# KiCad board zx-multisound.kicad_pcb (continued)
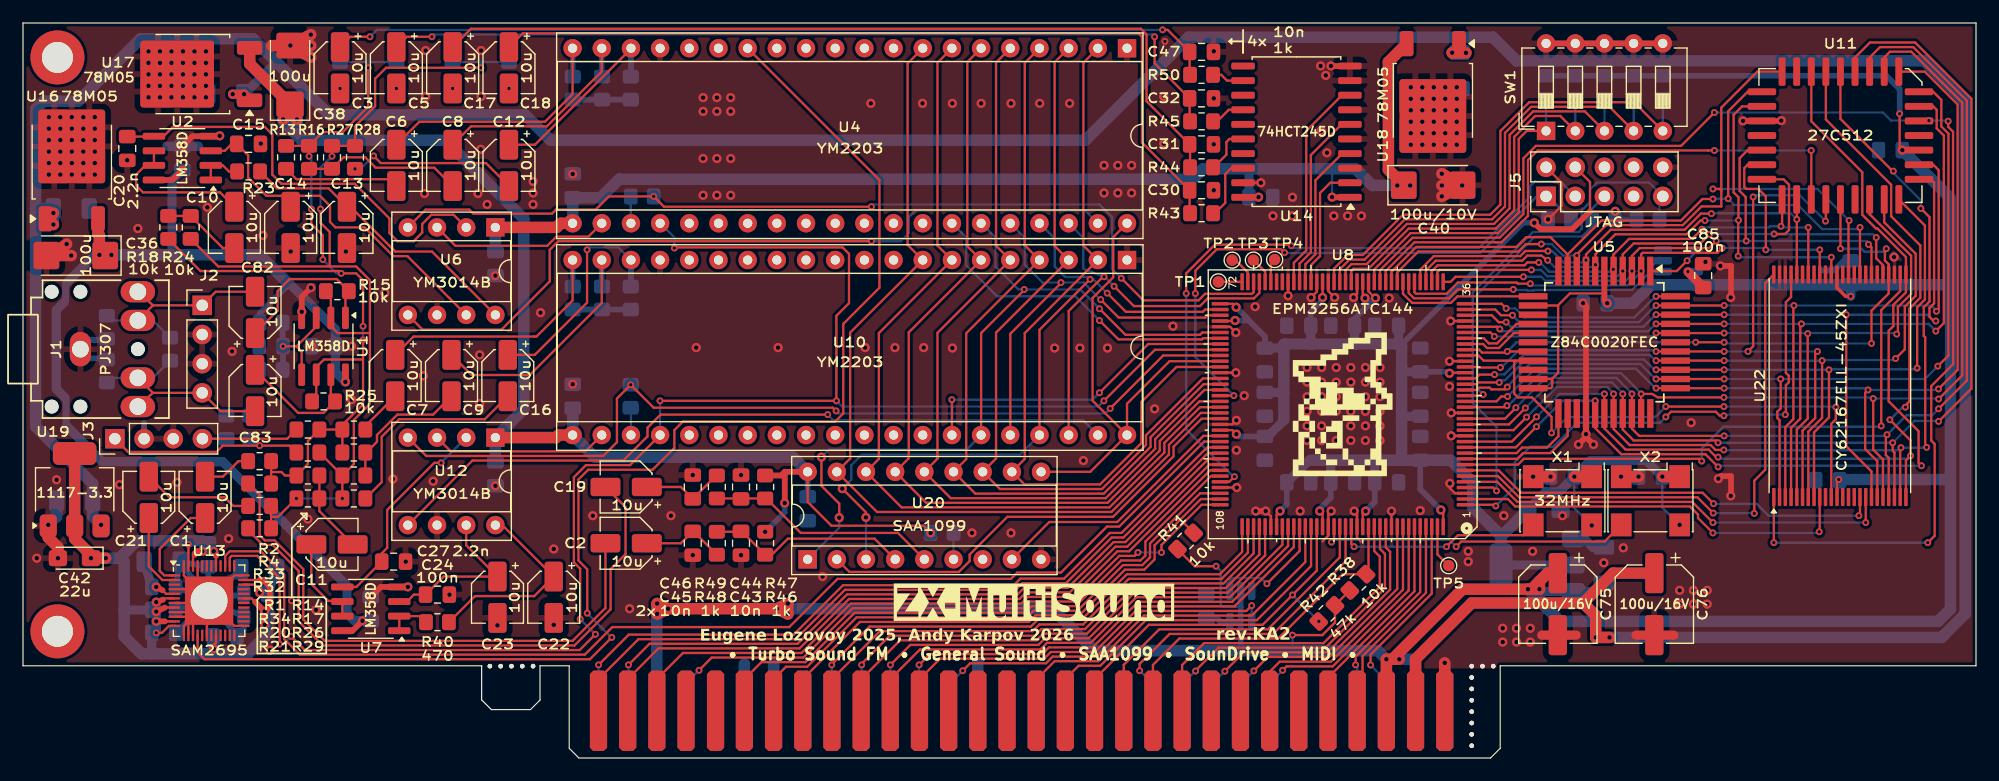
[diagram p0: board, top side]
## Footprints (pads in the part's own frame, mm; a bottom-side part is the same pattern mirrored in y, then rotated) (continued)
  rrect 0.3x1.475 smd: 37(-8.75,-10.662) 38(-8.25,-10.662) 39(-7.75,-10.662) 40(-7.25,-10.662) 41(-6.75,-10.662) 42(-6.25,-10.662) 43(-5.75,-10.662) 44(-5.25,-10.662) 45(-4.75,-10.662) 46(-4.25,-10.662) 47(-3.75,-10.662) 48(-3.25,-10.662) 49(-2.75,-10.662) 50(-2.25,-10.662) 51(-1.75,-10.662) 52(-1.25,-10.662) 53(-0.75,-10.662) 54(-0.25,-10.662) 55(0.25,-10.662) 56(0.75,-10.662) 57(1.25,-10.662) 58(1.75,-10.662) 59(2.25,-10.662) 60(2.75,-10.662) 61(3.25,-10.662) 62(3.75,-10.662) 63(4.25,-10.662) 64(4.75,-10.662) 65(5.25,-10.662) 66(5.75,-10.662) 67(6.25,-10.662) 68(6.75,-10.662) 69(7.25,-10.662) 70(7.75,-10.662) 71(8.25,-10.662) 72(8.75,-10.662) 109(8.75,10.662) 110(8.25,10.662) 111(7.75,10.662) 112(7.25,10.662) 113(6.75,10.662) 114(6.25,10.662) 115(5.75,10.662) 116(5.25,10.662) 117(4.75,10.662) 118(4.25,10.662) 119(3.75,10.662) 120(3.25,10.662) 121(2.75,10.662) 122(2.25,10.662) 123(1.75,10.662) 124(1.25,10.662) 125(0.75,10.662) 126(0.25,10.662) 127(-0.25,10.662) 128(-0.75,10.662) 129(-1.25,10.662) 130(-1.75,10.662) 131(-2.25,10.662) 132(-2.75,10.662) 133(-3.25,10.662) 134(-3.75,10.662) 135(-4.25,10.662) 136(-4.75,10.662) 137(-5.25,10.662) 138(-5.75,10.662) 139(-6.25,10.662) 140(-6.75,10.662) 141(-7.25,10.662) 142(-7.75,10.662) 143(-8.25,10.662) 144(-8.75,10.662)
TSOP-I-48_18.4x12mm_P0.5mm
  rrect 1.575x0.3 smd: 1(-9.688,5.75) 2(-9.688,5.25) 3(-9.688,4.75) 4(-9.688,4.25) 5(-9.688,3.75) 6(-9.688,3.25) 7(-9.688,2.75) 8(-9.688,2.25) 9(-9.688,1.75) 10(-9.688,1.25) 11(-9.688,0.75) 12(-9.688,0.25) 13(-9.688,-0.25) 14(-9.688,-0.75) 15(-9.688,-1.25) 16(-9.688,-1.75) 17(-9.688,-2.25) 18(-9.688,-2.75) 19(-9.688,-3.25) 20(-9.688,-3.75) 21(-9.688,-4.25) 22(-9.688,-4.75) 23(-9.688,-5.25) 24(-9.688,-5.75) 25(9.688,-5.75) 26(9.688,-5.25) 27(9.688,-4.75) 28(9.688,-4.25) 29(9.688,-3.75) 30(9.688,-3.25) 31(9.688,-2.75) 32(9.688,-2.25) 33(9.688,-1.75) 34(9.688,-1.25) 35(9.688,-0.75) 36(9.688,-0.25) 37(9.688,0.25) 38(9.688,0.75) 39(9.688,1.25) 40(9.688,1.75) 41(9.688,2.25) 42(9.688,2.75) 43(9.688,3.25) 44(9.688,3.75) 45(9.688,4.25) 46(9.688,4.75) 47(9.688,5.25) 48(9.688,5.75)
ZX_NEMO_60_EDGE
  rrect 1.5x7 smd far side: a1(2.545,-3.93) a2(5.085,-3.93) a3(7.625,-3.93) a4(10.165,-3.93) a5(12.735,-3.93) a6(15.245,-3.93) a7(17.785,-3.93) a8(20.325,-3.93) a9(22.865,-3.93) a10(25.405,-3.93) a11(27.945,-3.93) a12(30.485,-3.93) a13(33.025,-3.93) a14(35.565,-3.93) a15(38.105,-3.93) a16(40.645,-3.93) a17(43.185,-3.93) a18(45.725,-3.93) a19(48.265,-3.93) a20(50.805,-3.93) a21(53.345,-3.93) a22(55.885,-3.93) a23(58.425,-3.93) a24(60.965,-3.93) a25(63.505,-3.93) a26(66.045,-3.93) a27(68.585,-3.93) a28(71.125,-3.93) a29(73.665,-3.93) a30(76.205,-3.93)
  rrect 1.5x7 smd: b1(2.545,-3.93) b2(5.085,-3.93) b3(7.625,-3.93) b4(10.165,-3.93) b5(12.735,-3.93) b6(15.245,-3.93) b7(17.785,-3.93) b8(20.325,-3.93) b9(22.865,-3.93) b10(25.405,-3.93) b11(27.945,-3.93) b12(30.485,-3.93) b13(33.025,-3.93) b14(35.565,-3.93) b15(38.105,-3.93) b16(40.645,-3.93) b17(43.185,-3.93) b18(45.725,-3.93) b19(48.265,-3.93) b20(50.805,-3.93) b21(53.345,-3.93) b22(55.885,-3.93) b23(58.425,-3.93) b24(60.965,-3.93) b25(63.505,-3.93) b26(66.045,-3.93) b27(68.585,-3.93) b28(71.125,-3.93) b29(73.665,-3.93) b30(76.205,-3.93)

## Nets
+3V3: C34.1 C48.1 C49.1 C50.1 C51.1 C52.1 C53.1 C54.1 C55.1 C56.1 C57.1 C58.1 C59.1 C60.2 C61.2 J5.4 R52.2 R53.2 U8.24 U8.50 U8.51 U8.58 U8.73 U8.76 U8.95 U8.115 U8.123 U8.130 U8.144 U15.2 X1.1 X1.4 X2.1 X2.4
+3V3_2: C42.1 C77.1 C78.1 C79.1 C80.1 C81.1 U13.6 U13.8 U13.11 U13.12 U13.20 U13.31 U13.35 U13.41 U13.46 U13.47 U19.2
+5V: C33.1 C62.2 C63.2 C64.2 C65.2 C75.1 C84.2 C85.2 J4.a3 J4.a29 J4.b28 R38.1 R41.1 R42.1 R54.1 R55.1 R56.1 R57.1 R58.1 U5.6 U5.13 U5.21 U5.22 U11.32 U15.3 U21.2 U21.5 U22.12 U22.37 U23.5
+5VA: C36.1 C66.2 C67.2 C68.2 R5.2 U1.8 U2.8 U7.8 U16.3
+5VA_1: C40.1 C69.2 C70.2 C71.2 U4.21 U6.1 U14.1 U14.20 U18.3
+5VA_2: C38.1 C72.2 C73.2 C74.2 R46.2 R47.2 R51.2 U10.21 U12.1 U17.3 U20.18
+12V: C35.1 C37.1 C39.1 C41.1 C76.1 J4.b29 U16.1 U17.1 U18.1 U19.3
GND: C4.1 C13.2 C14.2 C15.2 C20.2 C22.2 C23.2 C24.2 C25.2 C26.2 C27.2 C28.2 C29.2 C30.2 C31.2 C32.2 C33.2 C34.2 C35.2 C36.2 C37.2 C38.2 C39.2 C40.2 C41.2 C42.2 C43.2 C44.2 C45.2 C46.2 C47.2 C48.2 C49.2 C50.2 C51.2 C52.2 C53.2 C54.2 C55.2 C56.2 C57.2 C58.2 C59.2 C60.1 C61.1 C62.1 C63.1 C64.1 C65.1 C66.1 C67.1 C68.1 C69.1 C70.1 C71.1 C72.1 C73.1 C74.1 C75.2 C76.2 C77.2 C78.2 C79.2 C80.2 C81.2 C84.1 C85.1 J1.S J2.2 J2.3 J3.2 J3.3 J4.a6 J4.a7 J4.a14 J4.a30 J4.b30 J5.2 J5.10 R7.2 R8.1 R9.1 R10.1 R11.2 R19.2 R35.1 R36.1 R37.1 R59.2 R61.1 R62.1 SW1.6 SW1.7 SW1.8 SW1.9 SW1.10 U1.4 U2.4 U4.1 U4.17 U5.26 U6.6 U7.4 U8.3 U8.13 U8.17 U8.26 U8.33 U8.52 U8.57 U8.59 U8.64 U8.77 U8.85 U8.94 U8.105 U8.114 U8.124 U8.129 U8.135 U10.1 U10.17 U11.16 U12.6 U13.4 U13.7 U13.9 U13.10 U13.13 U13.14 U13.15 U13.18 U13.25 U13.36 U13.45 U13.48 U13.49 U14.3 U14.5 U14.7 U14.9 U14.10 U14.19 U15.1 U16.2 U17.2 U18.2 U19.1 U20.9 U21.3 U22.27 U22.46 U22.47 U23.1 U23.3 X1.2 X2.2
/A0: J4.a9 U8.109
/A1: J4.a10 U8.111
/A2: J4.a11 U8.113
/A3: J4.a12 U8.117
/A4: J4.a24 U8.138
/A5: J4.a23 U8.136
/A6: J4.a22 U8.134
/A7: J4.a21 U8.133
/A8: J4.b26 U8.139
/A9: J4.a27 U8.140
/A10: J4.b27 U8.141
/A11: J4.a28 U8.142
/A12: J4.a2 U8.100
/A13: J4.b2 U8.101
/A14: J4.a1 U8.98
/A15: J4.b1 U8.99
/AA0: U4.37 U8.74 U10.37 U20.3
/AD0: U4.40 U8.83 U10.40 U20.10
/AD1: U4.2 U8.84 U10.2 U20.11
/AD2: U4.3 U8.86 U10.3 U20.12
/AD3: U4.4 U8.87 U10.4 U20.13
/AD4: U4.5 U8.88 U10.5 U20.14
/AD5: U4.6 U8.90 U10.6 U20.15
/AD6: U4.7 U8.91 U10.7 U20.16
/AD7: U4.8 U8.92 U10.8 U20.17
/AY_A1: C6.1 R10.2 U4.20
/AY_A2: C7.1 R37.2 U10.20
/AY_B1: C8.1 R9.2 U4.19
/AY_B2: C9.1 R36.2 U10.19
/AY_C1: C12.1 R8.2 U4.18
/AY_C2: C16.1 R35.2 U10.18
/CFG0: R54.2 SW1.1 U8.49
/CFG1: R55.2 SW1.2 U8.53
/CFG2: R56.2 SW1.3 U8.54
/CFG3: R57.2 SW1.4 U8.55
/CFG4: R58.2 SW1.5 U8.56
/CLK32: U8.128 X1.3
/CLKx: U8.125 X2.3
/D0: J4.b6 U8.103
/D1: J4.b7 U8.106
/D2: J4.b8 U8.107
/D3: J4.b11 U8.116
/D4: J4.b12 U8.118
/D5: J4.b10 U8.112
/D6: J4.b9 U8.110
/D7: J4.b3 U8.102
/DAC0: U8.63 U14.8
/DAC1: U8.62 U14.6
/DAC2: U8.61 U14.4
/DAC3: U8.60 U14.2
/DACCH0: C3.1 C47.1 R50.1
/DACCH1: C5.1 C32.1 R45.1
/DACCH2: C17.1 C31.1 R44.1
/DACCH3: C18.1 C30.1 R43.1
/FM1: C10.1 U2.6 U2.7
/FM1_ENA: R22.2 U6.4 U8.70
/FM2: C11.1 U7.6 U7.7
/FM2_ENA: R39.2 U8.82 U12.4
/GA0: U5.27 U8.11 U11.11 U22.25
/GA1: U5.28 U8.12 U11.10 U22.24
/GA2: U5.29 U8.14 U11.9 U22.23
/GA3: U5.30 U8.15 U11.8 U22.22
/GA4: U5.31 U8.16 U11.7 U22.21
/GA5: U5.32 U8.18 U11.6 U22.20
/GA6: U5.34 U8.19 U11.5 U22.19
/GA7: U5.35 U8.21 U11.4 U22.2
/GA8: U5.36 U8.22 U11.29 U22.8
/GA9: U5.37 U8.23 U11.28 U22.7
/GA10: U5.38 U8.25 U11.24 U22.6
/GA11: U5.40 U8.31 U11.27 U22.5
/GA12: U5.41 U8.32 U11.3 U22.4
/GA13: U5.42 U8.34 U11.30 U22.18
/GA14: U5.43 U8.35 U11.31 U22.3
/GA15: U5.44 U8.36
/GCLK: U8.43 U23.2
/GCLK_BUF: U5.1 U23.4
/GD0: U5.9 U8.45 U11.13 U22.35
/GD1: U5.10 U8.46 U11.14 U22.33
/GD2: U5.7 U8.40 U11.15 U22.38
/GD3: U5.3 U8.37 U11.18 U22.31
/GD4: U5.2 U8.42 U11.19 U22.40
/GD5: U5.4 U8.38 U11.20 U22.29
/GD6: U5.5 U8.39 U11.21 U22.42
/GD7: U5.8 U8.41 U11.22 U22.44
/GMA15: U8.48 U11.2 U22.1
/GMA16: U8.6 U22.48
/GMA17: U8.5 U22.17
/GMA18: U8.7 U22.16
/GMA19: U8.2 U22.9
/GMA20: U8.1 U22.45
/IN_L: J3.4 R1.2 R7.1
/IN_R: J3.1 R19.1 R34.2
/MIDI_CLK: U8.97 U13.39
/MIDI_IN: U4.14 U13.16
/MIDI_L: C1.1 U13.1
/MIDI_R: C21.1 U13.2
/SAA_CLK: U8.96 U20.8
/SAA_L: C2.1 C45.1 R48.2
/SAA_R: C19.1 C46.1 R49.2
/SND_L: C83.2 J1.T J1.TN J2.4 R60.2 R62.2
/SND_R: C82.2 J1.R J1.RN J2.1 R60.1 R61.2
/TCK: J5.1 R59.1 U8.89
/TDI: J5.9 R52.1 U8.4
/TDO: J5.3 U8.104
/TMS: J5.5 R53.1 U8.20
/YM_M: U4.38 U8.69 U10.38
/~{ARD}: U4.36 U8.75 U10.36
/~{AWR}: U4.35 U8.78 U10.35 U20.1
/~{DOS}: J4.a4 R41.2 U8.108
/~{GINT}: U5.12 U8.44
/~{GIORQ}: U5.16 U8.29
/~{GM1}: U5.24 U8.9
/~{GMREQ}: U5.15 U8.30
/~{GRAM}: U8.8 U22.26
/~{GRD}: U5.18 U8.28 U11.25 U22.28
/~{GROM}: U8.47 U11.23
/~{GRST}: U5.23 U8.10
/~{GWR}: U5.19 U8.27 U22.11
/~{IODOS}: J4.b20 R38.2 U8.131
/~{IORQGE}: U8.119 U21.1
/~{IORQ}: J4.b17 U8.121
/~{M1}: J4.b24 U8.137
/~{MREQ}: J4.b16 U8.120
/~{RD}: J4.b18 R42.2 U8.122
/~{RSTOUT}: U4.24 U8.81 U10.24 U13.38
/~{RST}: J4.a20 U8.127
/~{SAA_CS}: U8.93 U20.2
/~{WAIT}: J4.b21 U8.132
/~{WR}: J4.b19 U8.126
/~{YM1_CS}: U4.34 U8.79
/~{YM2_CS}: U8.80 U10.34
Net-(C1-Pad2): C1.2 R2.2
Net-(C2-Pad2): C2.2 R4.2
Net-(C3-Pad2): C3.2 R6.2
Net-(C5-Pad2): C5.2 R12.2
Net-(C6-Pad2): C6.2 R13.2
Net-(C7-Pad2): C7.2 R14.2
Net-(C8-Pad2): C8.2 R16.2 R27.2
Net-(C9-Pad2): C9.2 R17.2 R26.2
Net-(C10-Pad2): C10.2 R18.2 R24.2
Net-(C11-Pad2): C11.2 R20.2 R21.2
Net-(C12-Pad2): C12.2 R28.2
Net-(C16-Pad2): C16.2 R29.2
Net-(C17-Pad2): C17.2 R30.2
Net-(C18-Pad2): C18.2 R31.2
Net-(C19-Pad2): C19.2 R32.2
Net-(C21-Pad2): C21.2 R33.2
Net-(C82-Pad1): C82.1 R15.2 U1.1
Net-(C83-Pad1): C83.1 R25.2 U1.7
Net-(J4-Pin_a13): J4.a13 U21.4
Net-(TP1-Pad1): TP1.1 U8.72
Net-(TP2-Pad1): TP2.1 U8.71
Net-(TP3-Pad1): TP3.1 U8.68
Net-(TP4-Pad1): TP4.1 U8.67
Net-(TP5-Pad1): TP5.1 U8.143
Net-(U1A-+): C4.2 R5.1 R11.1 U1.3 U1.5
Net-(U1A--): R15.1 R21.1 R24.1 R26.1 R27.1 R28.1 R29.1 R30.1 R31.1 R32.1 R33.1 R34.1 U1.2
Net-(U1B--): R1.1 R2.1 R4.1 R6.1 R12.1 R13.1 R14.1 R16.1 R17.1 R18.1 R20.1 R25.1 U1.6
Net-(U2A-+): C14.1 C15.1 U2.3 U6.7
Net-(U2A--): R23.1 U2.1 U2.2
Net-(U2B-+): C20.1 U2.5 U6.2
Net-(U4-OP-O): R22.1 U4.23
Net-(U4-S): U4.39 U6.5
Net-(U4-SH): U4.22 U6.3
Net-(U6-Mp): C13.1 R23.2 U6.8
Net-(U7A--): R40.1 U7.1 U7.2
Net-(U10-OP-O): R39.1 U10.23
Net-(U10-S): U10.39 U12.5
Net-(U10-SH): U10.22 U12.3
Net-(U12-Mp): C22.1 R40.2 U12.8
Net-(U12-Rb): C23.1 C24.1 U7.3 U12.7
Net-(U12-ToBUFF): C27.1 U7.5 U12.2
Net-(U13-OUTVC12): C28.1 C29.1 U13.34
Net-(U13-VCM): C25.1 C26.1 U13.5
Net-(U14-B0): R43.2 U14.18
Net-(U14-B2): R44.2 U14.16
Net-(U14-B4): R45.2 U14.14
Net-(U14-B6): R50.2 U14.12
Net-(U20-Iref): R51.1 U20.6
Net-(U20-OutL): C43.1 R46.1 R48.1 U20.4
Net-(U20-OutR): C44.1 R47.1 R49.1 U20.5

Pads without a net: H1 1; H2 1; J4 a5 a8 a15 a16 a17 a18 a19 a25 a26 b4 b5 b13 b14 b15 b22 b23 b25; J5 6 7 8; U4 9 10 11 12 13 15 16 25 26 27 28 29 30 31 32 33; U5 11 14 17 20 25 33 39; U8 65 66; U10 9 10 11 12 13 14 15 16 25 26 27 28 29 30 31 32 33; U11 1 12 17 26; U13 3 17 19 21 22 23 24 26 27 28 29 30 32 33 37 40 42 43 44; U14 11 13 15 17; U20 7; U22 10 13 14 15 30 32 34 36 39 41 43

## Via types
v1: diameter 0.8, hole 0.4, Top to Bottom, 386 vias
v2: diameter 0.6, hole 0.3, Top to Bottom, 249 vias

## Routing (per net, layer and track width the routed paths; a pad name or vN(x,y) marks a point on that pad's centre or on a via; arc(x,y) is an arc through that point)
+3V3: length 187.9
  Top w0.2: U8.58 v1(113.12,40.1) ; v1(112.87,21.5) 113.12,21.25 U8.123 ; v1(105.62,28.2) 105.27,28.55 U8.95 ; v1(124.17,33.5) 124.22,33.55 U8.24 ; U8.50 117.12,40.62 117.69,40.05 v1(117.72,40.05) ; J5.4 136.4,50.16 136.4,47.6 v1(138.6,47.6) ; v1(105.51,38.1) 105.46,38.05 U8.76 ; v1(116.82,40.05) 116.62,40.25 U8.51 ; v1(109.42,21.5) 109.12,21.2 U8.115 ; U8.144 123.62,21.4 v1(123.42,21.6) ; v1(105.6,39.25) 105.3,39.55 U8.73 ; U8.130 116.62,21.25 v1(116.87,21.5)
  Top w0.5: 136.4,47.6 134.85,46.05 132.1,46.05 v1(131.55,46.6) ; v1(136.55,20.25) 136.54,20.26 X1.4
  Top w1: X2.1 v1(142.7,24.5) ; X1.1 v1(135.04,24.5)
  Bottom w0.2: v1(138.6,47.6) R53.2 ; v1(135.04,24.5) 135.04,21.76 v1(136.55,20.25) ; v1(144.2,20.3) 142.7,21.8 v1(142.7,24.5)
  Bottom w0.5: C54.1 105.82,28 v1(105.62,28.2) ; 117.66,25.91 117.68,25.92 ; v1(113.12,40.1) 113.12,39.9 112.09,38.87 C56.1 ; v1(131.55,46.6) 130.6,46.6 120,36 120,35.85 ; 120.06,29.76 120,29.7 ; v1(109.42,21.5) 110.01,22.09 C49.1 ; C50.1 121.62,23.39 v1(123.42,21.6) ; 106.6,38.1 106.6,38.25 v1(105.6,39.25) ; v1(116.87,21.5) 117.66,22.29 C48.1 ; 116.82,39.15 115.91,38.24 C57.1 ; 116.82,39.15 v1(116.82,40.05) ; 116.82,39.15 v1(117.72,40.05) ; v1(124.17,33.5) 124.04,33.62 C52.1 ; 119.74,36.11 119.8,36.05 ; 115.91,36.09 115.95,36.05 ; 109.44,35.69 109.75,36 ; R53.2 R52.2 ; C53.1 113.83,22.66 112.87,21.7 v1(112.87,21.5) ; C55.1 108.1,36.7 106.7,38.1 v1(105.51,38.1) ; 120.03,33.62 120,33.6 ; 113.83,25.92 113.83,25.92 ; 112.09,36.06 112.1,36.05 ; 109.74,31.84 109.75,31.85
  Bottom w0.8: 109.7,29.4 109.7,29.34 108.36,28 C54.1 ; 128.65,19.29 U15.2 U15.2 ; C49.1 111.91,25.9 112.1,25.9 ; C48.1 117.66,25.91 ; C53.1 113.83,25.92 ; C56.1 112.09,36.06 ; C51.1 120.06,29.76 ; v1(142.7,24.5) 141.3,25.9 136.44,25.9 v1(135.04,24.5) 133.71,23.17 132.54,23.17 130.96,21.6 ; C57.1 115.91,36.09 ; C59.1 109.74,31.84 ; C58.1 119.74,36.11 ; C52.1 120.03,33.62 ; C55.1 109.44,35.69
  Bottom w1: 109.75,29.45 109.75,36 109.8,36.05 119.8,36.05 120,35.85 120,25.92 ; 128.65,19.35 128.71,19.35 130.96,21.6 ; 128.65,19.35 U15.2 ; 128.65,19.35 126.2,21.8 126.2,24 124.28,25.92 C50.1 120,25.92 ; 120,25.92 112.1,25.92
+3V3_2: length 77.1
  Top w0.2: 14.8,16.65 14.8,17.7 14.95,17.7 ; 16.8,16.65 16.8,17.6 ; 19.15,13.9 19.9,13.9 20.2,13.6 ; 16.52,9.78 16.8,10.06 16.8,10.75 ; 13.25,11.9 12.35,11.9 ; 11.41,10.9 12.1,10.9 12.7,11.5 13.25,11.5 ; 12.19,13.79 12.3,13.9 13.18,13.9 ; 14.4,16.65 v2(14.4,18.6) ; 19.15,15.5 20.6,15.5 ; 13.18,13.1 12.35,13.1
  Top w0.5: 16.8,17.6 16.8,17.8 v1(16.6,18) ; v1(21.04,12.76) 20.2,13.6 ; v1(21.04,12.76) v1(21.04,11.6) ; v1(21.04,12.76) 21.5,13.22 21.5,14.9 20.9,15.5 20.6,15.5 ; v1(11.6,11.9) 12.35,11.9 ; v1(11.6,13.58) 12.19,13.79 ; v1(15.6,18) 15.15,18 14.95,17.8 14.95,17.7 ; v1(11.6,12.75) 12.35,13.1 ; v1(16.6,9.5) 16.6,9.7
  Top w1: v1(7.2,17.4) v1(5.92,17.4) 5.92,17.68 4.5,19.1 U19.2 U19.2
  Bottom w0.2: v1(11.6,13.58) v1(11.6,12.75)
  Bottom w0.5: v1(15.6,18) v1(16.6,18) ; v2(14.4,18.6) 14.1,18.9
  Bottom w0.8: v1(11.6,13.58) v2(11.6,10.9) ; 11.2,9.07 11.21,9.08 C80.1 ; C81.1 8.8,12.9
  Bottom w1: 16.6,9.07 16.56,9.1 C77.1 ; 16.6,9.07 10.33,9.07 8.8,10.6 8.8,17.1 8.5,17.4 ; 16.6,9.07 19.57,9.07 21.29,10.79 C78.1 ; C79.1 15.76,18.74 15.6,18.9 9.9,18.9 8.5,17.5 8.5,17.4 ; 8.5,17.4 v1(5.92,17.4)
+5V: length 340.7
  Top w0.2: 133.1,32.6 133.1,33.02 133.62,33.55 133.62,39.42 ; 133.1,32.6 133.1,32.3 133,32.2 U5.22 ; 133.1,32.6 133.1,32.9 133,33 U5.21 ; U22.12 157.9,24.1 v2(158.05,24.25) ; R38.1 R42.1 114.2,11.8 113.1,10.7 v2(110.5,10.7) ; 137.65,40.45 134.65,40.45 133.6,39.4 U5.13 ; v1(163.59,52.92) 163.35,53.16 v2(163.35,56.1) ; v2(103.85,16.7) 101.99,16.7 R41.1
  Top w0.3: U22.37 157.9,40.95 158.65,40.2 v2(159.1,40.2)
  Top w0.5: U5.6 137.65,39.85 v1(137.9,39.6) ; v1(163.59,52.92) 163.59,52.93 U11.32
  Top w0.8: v2(144.93,42.34) 146.25,41.02 C85.2
  Top w1: 132,15.4 131.3,14.7 v1(131,14.7) ; 132,15.4 v1(132,14.7) 125.3,14.7 119.2,8.6 ; 132,15.4 132.7,16.1 C75.1 ; 119.2,8.6 v1(118.68,8.6) J4.b28 ; 119.2,8.6 v1(119.8,8.6) ; v1(65.62,13) v1(66.57,12.55) v1(66.57,13.45) v1(65.62,13) ; v1(65.62,13) 55.98,13 ; v1(56.15,13) v1(55.2,12.55) v1(55.2,13.45) v1(56.15,13)
  Bottom w0.2: v2(103.85,16.7) 104.25,16.3 104.25,13.35 104.45,13.15 106,13.15 ; 157.85,41.2 159.1,41.2 ; v2(110.5,10.7) 110.5,9.35
  Bottom w0.5: R54.1 R55.1 R56.1 R57.1 R58.1 162.2,59.4 163.35,58.25 v2(163.35,56.1) ; C84.2 103.94,12.16 104.25,11.85 U21.5 105.85,11.85 106,12 ; 106,12 U21.2 ; 106,12 106,9.6 106.25,9.35
  Bottom w0.8: C33.1 136.86,14.5 U15.3 132.2,14.5 v1(132,14.7) ; 145.45,42.1 145.45,41.2 ; 159.1,41.2 v2(159.1,40.2) ; 55.18,13.42 v1(55.2,13.45)
  Bottom w1: v1(163.59,52.92) 167.78,48.74 167.78,40.92 ; J4.a3 55.18,13.42 ; 132,13.7 133.8,11.9 166.7,11.9 167.78,12.97 167.78,40.92 ; 132,13.7 v1(131,14.7) v1(132,14.7) 132,13.7 ; v1(65.62,13) v1(66.57,13.45) v1(66.57,12.55) v1(65.62,13) ; v1(65.62,13) 89.6,13 93.25,9.35 117.93,9.35 v1(118.68,8.6) 120.85,8.6 121.22,8.23 J4.a29 ; 167.78,40.92 167.5,41.2 141.74,41.2 140.14,39.6 C62.2 ; v2(158.05,24.25) 167.62,24.25 167.78,24.4 ; v1(56.15,13) v1(55.2,12.55) v1(55.2,13.45) v1(56.15,13)
+5VA: length 101.3
  Top w0.5: U7.8 28.68,11.08 v1(29.55,11.95) ; v1(13.87,51.2) 13.01,50.33 U2.8
  Top w1: U16.3 6.53,45.62 6.65,45.5 v1(6.65,43.8) v1(7.7,43.8)
  Bottom w0.5: 23.16,41.26 20.6,38.7 R5.2
  Bottom w0.62: 3.71,41.29 3.71,39.81 3.6,39.7 ; 3.75,28.9 3.75,31.25
  Bottom w0.8: 23.2,41.3 23.23,41.3 27.2,37.33 C66.2 27.2,33.61 v1(28.06,32.75) ; 3.8,41.35 6.25,43.8 v1(6.65,43.8) ; 3.66,31.38 2.9,32.14 2.9,39 3.6,39.7 ; 3.84,28.87 3.84,28.86 6.9,25.8 17.4,25.8 28.2,15 28.2,12.6 28.85,11.95 C67.2 ; v1(13.87,51.2) 12.98,50.3 12.98,43.83 12.95,43.8
  Bottom w1: 6.4,43.8 v1(6.65,43.8) 20.6,43.8 23.1,41.3
+5VA_1: length 107.2
  Top w0.5: v1(113.95,48.83) 113.97,48.82 U14.1 ; U14.20 107.53,48.82 v1(107.55,48.83)
  Top w1: 120.2,49.88 118.85,51.22 118.85,60.6 120.44,62.2 ; U4.21 46.81,46.56 46.45,46.2 U6.1
  Bottom w0.2: v1(113.95,48.83) 113.95,51.25
  Bottom w0.5: 113.95,51.25 114,51.3 ; 47.85,46.57 U4.21
  Bottom w0.8: C71.2 106.71,51.19 106.6,51.3
  Bottom w1: 47.85,46.57 C69.2 50.28,48.78 51.9,50.4 101.8,50.4 102.7,51.3 116,51.3 117.45,49.85 120.72,49.85 ; C70.2 41.12,44.09 U6.1
  vias: v1(119.62,49.85) v1(120.75,49.85)
+5VA_2: length 116.6
  Top w0.2: U20.18 68.3,22.3 70.38,20.22 78.38,20.22 v1(79,19.6)
  Top w0.5: 66.31,24.92 66.31,22.21 v1(66.3,22.2) ; 66.31,24.92 U20.18 ; 66.31,24.92 65.99,24.6 R47.2
  Top w1: v1(22.65,55.6) 23.25,56.2 ; 23.25,56.2 23.25,56.92 19.74,60.44 19.74,61.83 ; 23.25,56.2 v1(23.85,55.6) ; U10.21 46.62,28.12 46.4,27.9 U12.1
  Bottom w0.5: U20.18 C74.2 ; v1(66.3,22.2) 66.3,21.4 v1(64.6,19.7) ; 47.85,28.13 U10.21
  Bottom w1: 23.25,54.8 23.25,55.6 v1(22.65,55.6) ; 23.25,54.8 23.85,55.4 v1(23.85,55.6) v1(22.65,55.6) ; 23.25,54.8 24.25,53.8 36.75,53.8 43.6,46.95 43.6,30.38 U12.1 41.12,25.79 C72.2 ; 23.25,54.8 22.65,55.4 v1(22.65,55.6) ; U10.21 49.76,26.2 67.02,26.2 U20.18 ; C73.2 47.85,28.13
+12V: length 345.1
  Top w0.8: 19.74,57.27 19.74,57.31 v1(19.25,57.8) v1(18.25,57.8)
  Top w1: C76.1 138.4,16.1 135.8,13.5 ; 135.8,13.5 136.9,12.4 v1(136.9,10.5) v1(138.1,10.5) ; 135.8,13.5 126.1,13.5 121.22,8.61 J4.b29 ; v1(125.6,61.4) 124.41,61.4 v1(124.4,61.41) ; U16.1 2.15,46.95 ; 2.15,46.95 v1(2.65,46.45) ; 2.15,46.95 v1(2.65,47.45)
  Bottom w0.8: v1(19.25,57.8) 21.95,60.5 22.15,60.5 ; C37.1 v1(18.25,57.8)
  Bottom w1: 1.1,47.8 1.1,28.85 6.06,23.89 C41.1 6.06,21.04 v1(6.8,20.3) ; 1.1,47.8 1.1,56.5 1.8,57.2 4.8,57.2 10.23,62.62 20.02,62.62 26.65,56 43.7,56 45.9,53.8 92.5,53.8 101.46,62.76 125.11,62.76 ; 1.1,47.8 1.15,47.85 C35.1 2.64,46.46 ; 125.11,62.76 125.11,61.47 C39.1 v1(124.4,61.41) 125.59,61.41 v1(125.6,61.4) ; 125.11,62.76 127.94,62.76 130,60.7 165.5,60.7 169.06,57.14 169.06,12.56 168.97,12.47 168.97,12.47 167.2,10.7 167,10.5 v1(136.9,10.5)
GND: length 240.6
  Top w0.2: 14,10.75 14,11.5 U13.49 ; 13.25,12.7 15.2,12.7 U13.49 ; 116.45,18.85 116.12,19.18 U8.129 116.12,21.25 v1(115.87,21.5) ; v1(124.17,34.55) U8.26 ; U1.4 24.26,38.84 v1(24.26,38.85) ; U13.49 18.4,11.5 19.15,11.5 ; U13.49 18.4,15.9 19.15,15.9 ; U13.49 15.2,14.7 ; U13.49 14,15.9 14,16.65 ; U13.49 14.8,12.3 ; U13.49 14.4,11.9 14.4,10.75 ; U13.49 16,13.5 ; U14.19 107.75,50.09 v1(107.75,50.08) ; U8.13 v1(124.32,28.05) ; 15.2,14.7 15.2,16.65 ; 15.2,14.7 13.25,14.7 ; v1(114.17,40.1) 113.62,40.65 U8.57 ; v1(132.75,46.9) 133.95,48.1 133.95,50.06 J5.2 ; v1(105.62,29.4) 105.27,29.05 U8.94 ; U8.64 v1(110.12,40.25) ; v1(105.57,37.05) 105.07,37.55 U8.77 ; U8.33 v1(124.27,38.05) ; v1(105.57,33.55) U8.85 ; 16,10.75 16,13.5 ; 16,13.5 13.25,13.5 ; U8.17 v1(124.32,30.05) ; C30.2 v1(103.65,49.43) ; v1(113.87,21.5) 113.62,21.25 U8.124 113.62,19.37 113.1,18.85 ; U8.114 108.62,21.05 v1(108.17,21.5) ; U8.3 124.65,23.05 124.2,23.5 v1(124.2,23.91) ; 14.8,12.3 14.8,10.75 ; 14.8,12.3 13.25,12.3 ; U8.59 112.62,40.6 v1(112.12,40.1) ; v1(115.82,40.1) 116.12,40.4 U8.52 ; C32.2 v1(103.65,57.43) ; C31.2 v1(103.65,53.43) ; U8.135 v1(119.12,21.5) ; v1(105.65,23.55) U8.105
  Top w0.5: 136.05,27.95 136.05,28.05 ; 136.05,27.95 v1(135.4,27.3) ; 136.05,27.95 v1(136.7,27.3) ; 136.05,28.05 v1(136.05,28.2) U5.26 136.05,28.05 ; 136.05,28.05 136.05,39.35 v1(135.8,39.6) ; v1(148.65,22.82) 148.68,22.85 148.68,24.55 147.8,24.55 v1(147.58,24.32) ; v1(108.17,21.5) v1(107.3,21.5) ; SW1.10 SW1.6 ; v1(13.87,53.27) 14.74,54.14 U2.4 17.09,54.14 v1(17.12,54.17) ; v1(153.05,55.5) 153.02,55.47 U11.16 149.73,55.47 v1(149.73,55.47) ; U7.4 31.14,14.89 v1(30.27,14.03) ; v1(20.7,53.5) 20.68,53.47 20.68,53.47 ; 9.1,52.05 9.09,52.03 C20.2 ; v1(24.26,38.85) 24.26,40.15 v1(25.06,40.95) ; v1(113.85,60.26) 113.86,60.25 U14.10 ; v1(148.65,40.1) 148.68,40.13 148.68,42.85 v1(147.75,42.85) ; 132.45,24.5 132.44,24.5
  Top w0.8: 143.7,10.7 C76.2 140.4,10.7 ; 132.2,10.7 C75.2 135.2,10.7 ; C85.1 146.41,43.2 v1(146.45,43.2)
  Top w1: X2.2 v1(140.62,24.5) ; v1(3.8,44.75) 2.4,43.75 v1(4.2,43.75) ; v1(123.5,49.85) 125.3,49.85 v1(123.5,50.88) ; X1.2 v1(132.96,24.5) ; 23.25,62.02 21.65,62.02 ; v1(3.04,17.4) 3.04,18.36 2.2,19.2 U19.1 ; 23.25,62.04 v1(25.05,62.04) ; 23.25,62.04 v1(25.05,61.01) ; 23.25,62.04 v1(23.27,62.04) v1(25.05,62.99) ; 2.05,43.8 2.4,43.8 ; 123.75,8.28 123.75,4.25 ; v1(125.28,49.85) v1(123.5,48.9)
  Top w2: v1(123.8,56.4) 124.4,55.8
  Bottom w0.2: 5.8,34.8 5,35.6 5.8,36.4
  Bottom w0.5: C26.2 C25.2 U13.49 ; C26.2 C79.2 U13.49 ; C26.2 U13.49 ; J3.2 10.54,29.19 ; 5.8,36.4 7.2,36.4 R61.1 ; U13.49 C80.2 ; U13.49 C77.2 19.21,11.17 C78.2 U13.49 ; U13.49 18.95,16.45 C29.2 ; U13.49 C28.2 ; U13.49 C81.2 ; 5.8,34.8 7.2,34.8 R62.1 ; C63.1 158.49,43.29 157.65,42.45 156.6,42.45 ; R10.1 R8.1 ; R37.1 R35.1
  Bottom w0.8: U15.1 135.9,19.1 136.64,18.36 C33.2 ; 12.53,53.27 v1(13.87,53.27) 15.27,53.27
  Bottom w1: 123.75,8.28 J4.a30 ; v1(2.2,20.3) 2.94,21.04 C41.2 ; J4.a14 83.12,8.31 ; J4.a7 65.34,8.2 ; J4.a6 62.79,8.19
  vias: v1(1.2,17.4) v1(2.25,55.8) v1(2.25,54.8) v1(2.25,53.8) v1(2.25,52.8) v1(2.25,51.8) v1(2.25,50.8) v1(2.92,24.22) v1(3.25,55.8) v1(3.25,54.8) v1(3.25,53.8) v1(3.25,52.8) v1(3.25,51.8) v1(3.25,50.8) v1(4.25,55.8) v1(4.25,54.8) v1(4.25,53.8) v1(4.25,52.8) v1(4.25,51.8) v1(4.25,50.8) v1(5.25,55.8) v1(5.25,54.8) v1(5.25,53.8) v1(5.25,52.8) v1(5.25,51.8) v1(5.25,50.8) v1(6.25,55.8) v1(6.25,54.8) v1(6.25,53.8) v1(6.25,52.8) v1(6.25,51.8) v1(6.25,50.8) v1(8.4,23.8) v1(9.07,52.05) v1(10,46.1) v1(10.93,61.52) v1(10.93,60.52) v1(10.93,59.52) v1(10.93,58.52) v1(10.93,57.52) v1(11.93,61.52) v1(11.93,60.52) v1(11.93,59.52) v1(11.93,58.52) v1(11.93,57.52) v1(12.93,61.52) v1(12.93,60.52) v1(12.93,59.52) v1(12.93,58.52) v1(12.93,57.52) v1(13.4,24) v1(13.93,61.52) v1(13.93,60.52) v1(13.93,59.52) v1(13.93,58.52) v1(13.93,57.52) v1(14.93,61.52) v1(14.93,60.52) v1(14.93,59.52) v1(14.93,58.52) v1(14.93,57.52) v1(15.93,61.52) v1(15.93,60.52) v1(15.93,59.52) v1(15.93,58.52) v1(15.93,57.52) v1(16.05,47.95) v1(17.9,19.1) v1(18.2,35.4) v1(20.9,45.5) v1(21.5,9.4) v1(23.3,44.1) v1(24.8,20.8) v1(25.12,35.85) v1(25.5,12.9) v1(28.1,44.1) v1(28.6,35.85) v1(28.6,31.2) v1(31.5,40.5) v1(32.2,24.3) v1(33.32,17.1) v1(33.5,14.9) v1(34.95,49.15) v1(34.85,33.27) v1(35.05,61.6) v1(35.05,57.6) v1(35.7,24.1) v1(37.12,14.22) v1(39.6,49.15) v1(39.75,35.1) v1(39.75,30.85) v1(39.87,61.6) v1(39.87,57.6) v1(39.85,53) v1(40.4,48.2) v1(41.12,42) v1(41.12,23.7) v1(41.3,11.55) v1(44.4,50.2) v1(44.4,49.2) v1(44.4,48.2) v1(45.05,38.77) v1(46.2,18.2) v1(46.2,11.6) v1(47.85,50.85) v1(47.85,32.55) v1(49.6,21.1) v1(52.8,13) v1(56.4,21.1) v1(58.3,24.64) v1(58.3,17.66) v1(58.6,35.73) v1(59.2,57.5) v1(59.2,56.3) v1(59.2,52.2) v1(59.2,49) v1(60.4,57.5) v1(60.4,56.3) v1(60.4,52.2) v1(60.4,49) v1(61.6,57.5) v1(61.6,56.3) v1(61.6,52.2) v1(61.6,49) v1(62.5,24.64) v1(62.5,17.66) v1(65.72,35.73) v1(69.6,15.8) v1(73.3,35.73) v1(73.8,57) v1(75.9,35.73) v1(78.3,57) v1(78.4,35.73) v1(80.9,57) v1(80.9,35.7) v1(82.6,19.6) v1(83.4,57) v1(86,57) v1(86,19.6) v1(88.5,57) v1(89.8,35.7) v1(91.1,57) v1(92,35.7) v1(92.3,25.9) v1(94.1,51.6) v1(94.1,49.2) v1(94.4,35.7) v1(95.3,51.6) v1(95.3,49.2) v1(96.5,51.6) v1(96.5,49.2) v1(98.5,30.4) v1(99.3,57.6) v1(99.3,53.5) v1(100.1,37.6) v1(103.65,61.53) v1(105.62,26.8) v1(106.3,31.55) v1(107.25,39.3) v1(108.8,47.2) v1(110.5,48.82) v1(110.5,47.2) v1(111.17,21.5) v1(111.77,34) v1(111.77,32.73) v1(111.77,31.46) v1(111.77,30.19) v1(111.77,28.92) v1(111.77,27.65) v1(112.95,60.26) v1(113,54.6) v1(113.04,34) v1(113.04,32.73) v1(113.04,31.46) v1(113.04,30.19) v1(113.04,28.92) v1(113.04,27.65) v1(113.4,59.43) v1(113.5,52.7) v1(114.1,47.2) v1(114.31,34) v1(114.31,32.73) v1(114.31,31.46) v1(114.31,30.19) v1(114.31,28.92) v1(114.31,27.65) v1(115.3,47.2) v1(115.58,34) v1(115.58,32.73) v1(115.58,31.46) v1(115.58,30.19) v1(115.58,28.92) v1(115.58,27.65) v1(116.5,47.2) v1(116.85,34) v1(116.85,32.73) v1(116.85,31.46) v1(116.85,30.19) v1(116.85,28.92) v1(116.85,27.65) v1(118.12,34) v1(118.12,32.73) v1(118.12,31.46) v1(118.12,30.19) v1(118.12,28.92) v1(118.12,27.65) v1(118.92,40.05) v1(120.8,58.4) v1(120.8,57.4) v1(120.8,56.4) v1(120.8,55.4) v1(120.8,54.4) v1(120.8,53.4) v1(121.62,21.55) v1(121.8,58.4) v1(121.8,57.4) v1(121.8,56.4) v1(121.8,55.4) v1(121.8,54.4) v1(121.8,53.4) v1(122.8,58.4) v1(122.8,57.4) v1(122.8,56.4) v1(122.8,55.4) v1(122.8,54.4) v1(122.8,53.4) v1(123.8,58.4) v1(123.8,57.4) v1(123.8,55.4) v1(123.8,54.4) v1(123.8,53.4) v1(123.75,8.28) v1(124.17,32.35) v1(124.8,58.4) v1(124.8,57.4) v1(124.8,56.4) v1(124.8,55.4) v1(124.8,54.4) v1(124.8,53.4) v1(125.8,18) v1(125.8,17.1) v1(128.8,11.3) v1(128.8,10.1) v1(128.9,21.1) v1(130,11.3) v1(130,10.1) v1(131.2,11.3) v1(131.2,10.1) v1(131.4,18) v1(131.45,24.5) v1(134,21.1) v1(137.6,17) v1(139.1,24.5) v1(139.3,18.3) v1(144.2,14.6) v1(144.2,13.4) v1(145.2,29.2) v1(145.4,14.6) v1(145.4,13.4) v1(146.6,14.6) v1(146.6,13.4) v1(162.87,43.62) v2(23.37,13.7) v2(99.4,62.4)
/A0: length 45.9
  Top w0.2: v2(70.4,8.11) 70.4,8.16 73.69,11.45 87.73,11.45 88.31,12.03 92.11,12.03 96.09,16 104.17,16 106.12,17.95 U8.109
  Bottom w0.2: v2(70.4,8.11) 70.4,4.23
/A1: length 44.6
  Top w0.2: v2(73,8.11) 73,8.21 75.44,10.65 88.06,10.65 88.64,11.23 92.44,11.23 96.42,15.2 104.5,15.2 107.12,17.82 U8.111
  Bottom w0.2: v2(73,8.11) 73,4.29 72.81,4.11
/A2: length 43.1
  Top w0.2: U8.113 108.12,17.64 104.88,14.4 96.75,14.4 92.77,10.43 88.97,10.43 88.39,9.85 77.24,9.85 v2(75.5,8.11)
  Bottom w0.2: 75.36,4.11 75.5,4.25 v2(75.5,8.11)
/A3: length 42
  Top w0.2: v2(78,8.11) 78.94,9.05 88.72,9.05 89.3,9.63 93.11,9.63 97.08,13.6 105.25,13.6 110.12,18.47 U8.117
  Bottom w0.2: v2(78,8.11) 78,4.22
/A4: length 23.5
  Top w0.2: U8.138 120.62,14.59 114,7.98 109.98,7.98 v2(109.64,7.64)
  Bottom w0.2: v2(109.64,7.64) 108.38,6.37 108.38,4.11
/A5: length 24.9
  Top w0.2: v2(107.14,7.59) 108.36,8.8 111.2,8.8 113.7,8.8 119.62,14.73 U8.136
  Bottom w0.2: v2(107.14,7.59) 105.84,6.28 105.84,4.11
/A6: length 27
  Top w0.2: v2(104.62,7.56) 106.26,9.2 111.03,9.2 113.53,9.2 119,14.67 119,17.97 118.62,18.35 U8.134
  Bottom w0.2: v2(104.62,7.56) 103.3,6.24 103.3,4.11
/A7: length 29
  Top w0.2: U8.133 118.12,18.2 118.55,17.77 118.55,14.79 113.37,9.6 104.05,9.6 102.07,7.62 v2(102.07,7.57)
  Bottom w0.2: 100.75,4.11 100.75,6.26 v2(102.07,7.57)
/A8: length 19.1
  Top w0.2: U8.139 121.12,14.52 113.59,7 J4.b26
/A9: length 18.4
  Top w0.2: v2(116,8.11) 116,8.83 121.62,14.45 U8.140
  Bottom w0.2: J4.a27 116.14,7.97 v2(116,8.11)
/A10: length 18.6
  Top w0.2: 116,4.11 116.6,4.71 116.6,8.86 122.12,14.38 U8.141
/A11: length 18.8
  Top w0.2: U8.142 122.62,14.32 117.3,9 v2(117.3,8.1)
  Bottom w0.2: v2(117.3,8.1) 118.68,6.72 J4.a28
/A12: length 63
  Top w0.2: v2(52.7,8.11) 54.54,9.95 67.43,9.95 71.73,14.25 86.57,14.25 87.15,14.82 90.95,14.82 94.93,18.8 95.95,18.8 103.2,26.05 U8.100
  Bottom w0.2: v2(52.7,8.11) 52.7,4.31 52.49,4.11
